# Altium PCB BSPD_mod_0513.PcbDoc (continued)
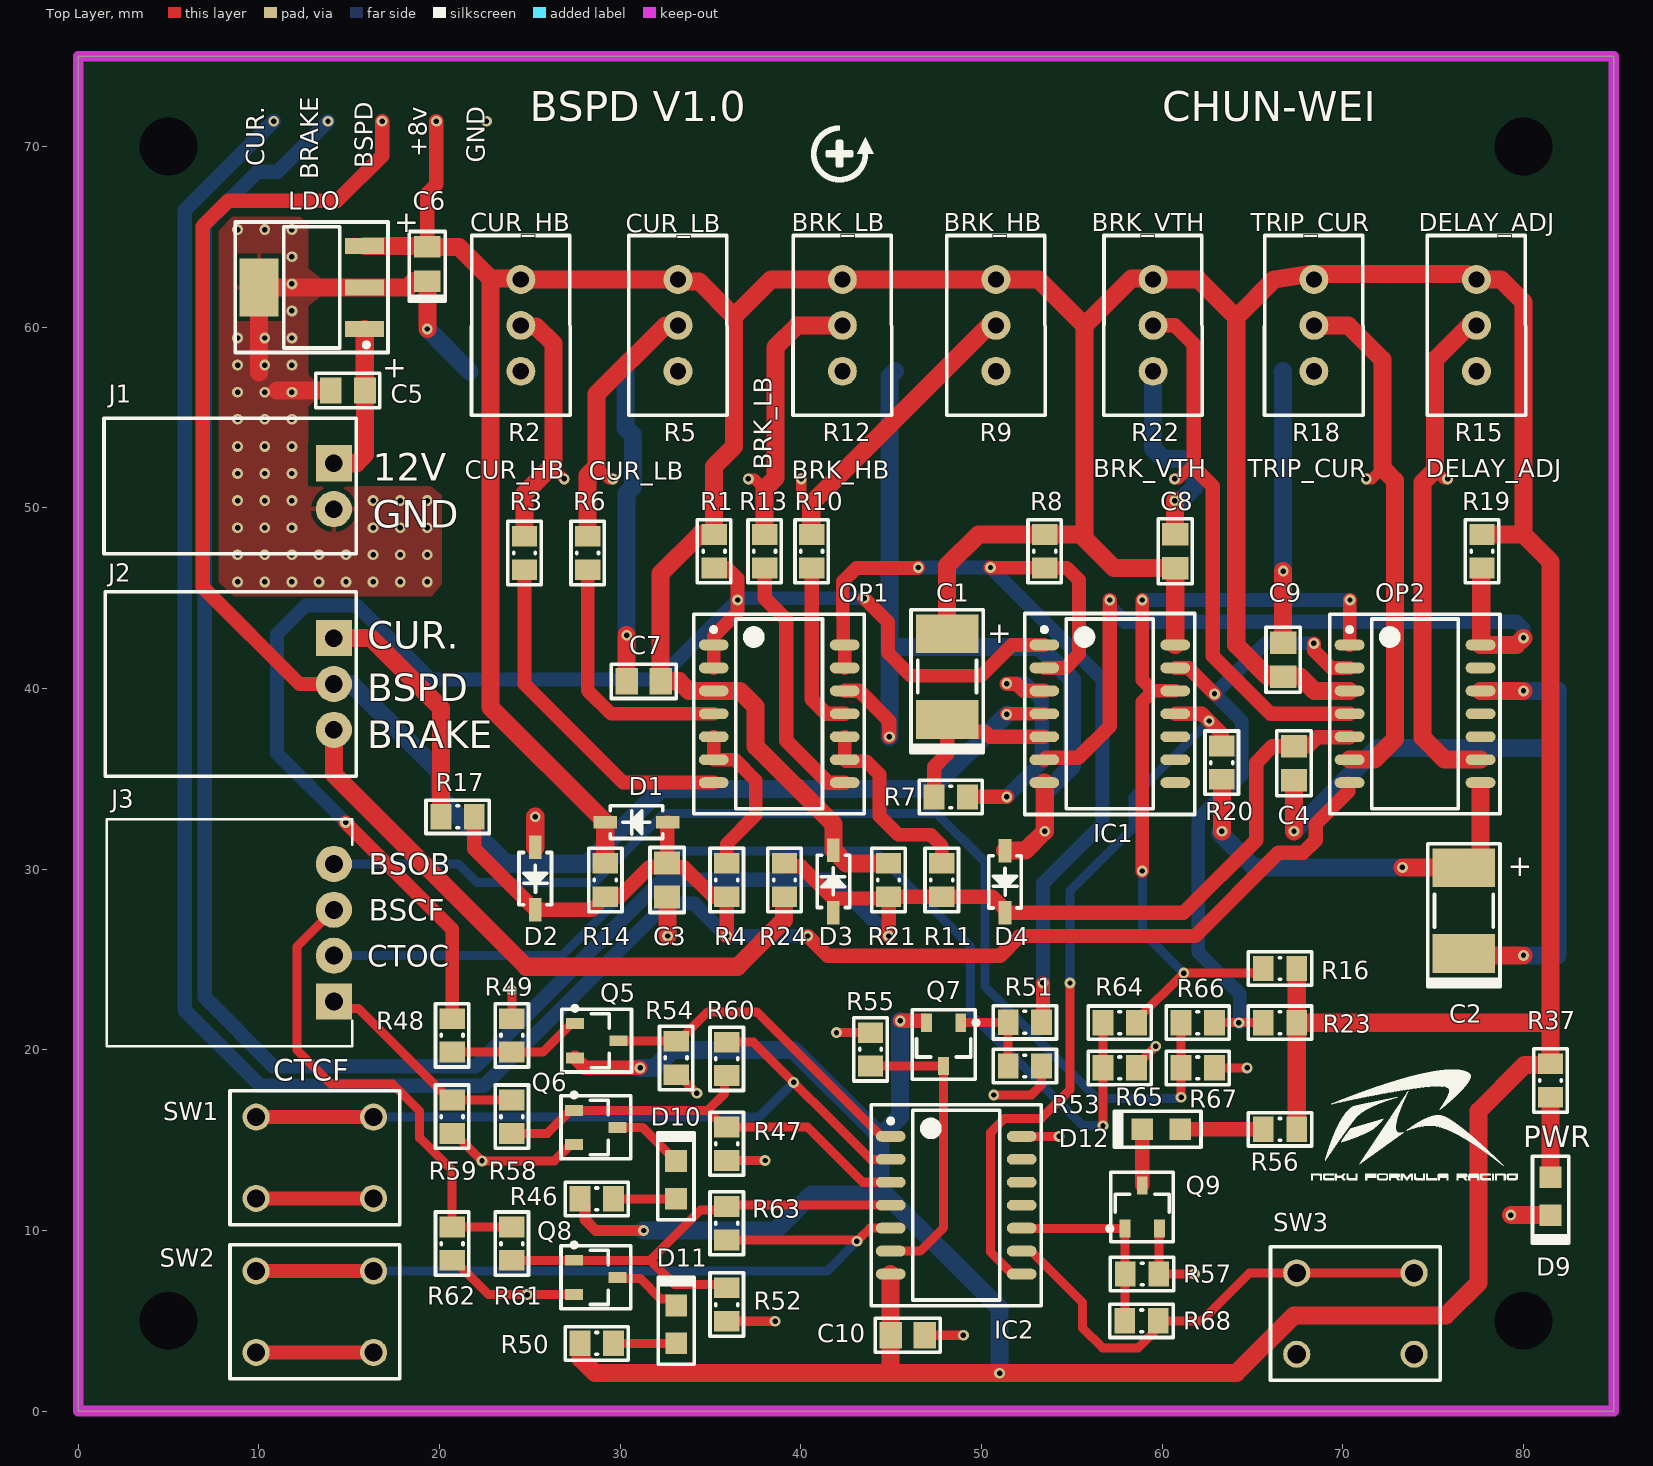
[diagram p0: Top Layer view]
## Part data (continued)
J3: library part 5-103634-3, "Conn Shrouded Header (4 Sides) HDR 4 POS 2.54mm Solder RA Thru-Hole Box/Tube", Color=Black, Contact Current Rating=3A, Contact Resistance=15mR, Flammability Rating="UL94 V-0", Insulation Resistance=5GR, Manufacturer="TE Connectivity", Max Operating Temperature=105°C, Min Operating Temperature=-65°C, Package Quantity=42, Supplier Part Number 1=571-5-103634-3, Voltage Rating=250V, Approvals=CSA, Backwall/Post Interruptions="No (Without)", catagory=header, ComponentLink1Description=https://datasheet.ciiva.com/709/eng-cd-103634-u2-709984.pdf?src-supplier=Digi-Key, ComponentLink1URL=https://datasheet.ciiva.com/709/eng-cd-103634-u2-709984.pdf?src-supplier=Digi-Key, ComponentLink2Description=https://datasheet.ciiva.com/30493/0900766b80f9a687-30493821.pdf?src-supplier=RSComponents, ComponentLink2URL=https://datasheet.ciiva.com/30493/0900766b80f9a687-30493821.pdf?src-supplier=RSComponents, ComponentLink3Description=https://datasheet.ciiva.com/16497/eng-cs-1307819-section-5-cont-0808-16497095.pdf?src-supplier=Avnet+Asia, ComponentLink3URL=https://datasheet.ciiva.com/16497/eng-cs-1307819-section-5-cont-0808-16497095.pdf?src-supplier=Avnet+Asia, ComponentLink4Description=https://datasheet.ciiva.com/7800/1651634-7800366.pdf?src-supplier=Element14, ComponentLink4URL=https://datasheet.ciiva.com/7800/1651634-7800366.pdf?src-supplier=Element14, ComponentLink5Description=https://datasheet.ciiva.com/14644/70087799-14644933.pdf?src-supplier=Allied+Electronics, ComponentLink5URL=https://datasheet.ciiva.com/14644/70087799-14644933.pdf?src-supplier=Allied+Electronics, ComponentLink6Description=https://datasheet.ciiva.com/9484/eng-cs-1307819-section-5-cont-0808-9484872.pdf?src-supplier=Avnet, ComponentLink6URL=https://datasheet.ciiva.com/9484/eng-cs-1307819-section-5-cont-0808-9484872.pdf?src-supplier=Avnet, ComponentLink7Description=https://datasheet.ciiva.com/46442/1651634-46442506.pdf?src-supplier=Element14, ComponentLink7URL=https://datasheet.ciiva.com/46442/1651634-46442506.pdf?src-supplier=Element14, ComponentLink8Description=https://datasheet.ciiva.com/16355/eng-ds-4-1773458-0-ampmodu-mte-interconnect-sys-0411-16355979.pdf?src-supplier=Future+Electronics, ComponentLink8URL=https://datasheet.ciiva.com/16355/eng-ds-4-1773458-0-ampmodu-mte-interconnect-sys-0411-16355979.pdf?src-supplier=Future+Electronics, ComponentLink9Description=http://datasheet.octopart.com/5-103634-3-TE-Connectivity-datasheet-11077636.pdf?src-supplier=Newark, ComponentLink9URL=http://datasheet.octopart.com/5-103634-3-TE-Connectivity-datasheet-11077636.pdf?src-supplier=Newark, ComponentLink10Description=http://datasheet.octopart.com/5-103634-3-TE-Connectivity-datasheet-136861139.pdf?src-supplier=ShanghaiCT, ComponentLink10URL=http://datasheet.octopart.com/5-103634-3-TE-Connectivity-datasheet-136861139.pdf?src-supplier=ShanghaiCT, ComponentLink11Description=http://sigma.octopart.com/15108092/technical_drawing/TE-Connectivity-5-103634-3.pdf?src-supplier=Farnell, ComponentLink11URL=http://sigma.octopart.com/15108092/technical_drawing/TE-Connectivity-5-103634-3.pdf?src-supplier=Farnell, ComponentLink12Description=http://datasheet.octopart.com/5-103634-3-TE-Connectivity-datasheet-8324834.pdf?src-supplier=Master+Electronics, ComponentLink12URL=http://datasheet.octopart.com/5-103634-3-TE-Connectivity-datasheet-8324834.pdf?src-supplier=Master+Electronics, ComponentLink13Description=http://sigma.octopart.com/101751519/technical_drawing/TE-Connectivity-5-103634-3.pdf?src-supplier=Future+Electronics, ComponentLink13URL=http://sigma.octopart.com/101751519/technical_drawing/TE-Connectivity-5-103634-3.pdf?src-supplier=Future+Electronics, ComponentLink14Description=http://sigma.octopart.com/77852267/technical_drawing/TE-Connectivity-5-103634-3.pdf?src-supplier=TE+Connectivity, ComponentLink14URL=http://sigma.octopart.com/77852267/technical_drawing/TE-Connectivity-5-103634-3.pdf?src-supplier=TE+Connectivity, ComponentLink15Description=http://datasheet.octopart.com/5-103634-3-Agastat-datasheet-13560061.pdf?src-supplier=TE+Connectivity, ComponentLink15URL=http://datasheet.octopart.com/5-103634-3-Agastat-datasheet-13560061.pdf?src-supplier=TE+Connectivity, ComponentLink16Description=http://datasheet.octopart.com/5-103634-3-TE-Connectivity-datasheet-9653333.pdf?src-supplier=Allied+Electronics, ComponentLink16URL=http://datasheet.octopart.com/5-103634-3-TE-Connectivity-datasheet-9653333.pdf?src-supplier=Allied+Electronics, ComponentLink17Description=http://datasheet.octopart.com/5-103634-3-Tyco-Electronics-datasheet-508243.pdf?src-supplier=Future+Electronics, ComponentLink17URL=http://datasheet.octopart.com/5-103634-3-Tyco-Electronics-datasheet-508243.pdf?src-supplier=Future+Electronics, ComponentLink18Description=http://datasheet.octopart.com/5-103634-3-Tyco-Electronics-datasheet-8817613.pdf?src-supplier=Future+Electronics, ComponentLink18URL=http://datasheet.octopart.com/5-103634-3-Tyco-Electronics-datasheet-8817613.pdf?src-supplier=Future+Electronics, Connector Type=Plug, Contact Gender=Male, Contact Material=Brass, Contact Mating Length=0.23inch, Contact Plating=Tin, Contact Retention="Yes (With)", Contact Shape=Square, Current Rating=3A, Depth=13.59mm, Height=13.59mm, Housing Color=Black, Housing Material=Thermoplastic, Length=12.7mm, Manufacturer Part Number=5-103634-3, Mating Alignment="Yes (With)", Mating Retention="Yes (With)", Mount="Through Hole", Number of Contacts=4, Number of Positions=4, Number of Rows=1, Orientation="Right Angle", Packaging=Rail/Tube, PCB Mount Alignment="No (Without)", PCB Mounting Orientation="Right Angle", PCB Mount Retention=Without, Pitch=2.54mm, Plating Thickness=2.54um, Pricing 1="1 = 1.23000, 10 = 1.02000, 100 = 0.91700, 500 = 0.79700, 1000 = 0.72100, 2500 = 0.58900, 25000 = 0.58000, 50000 = 0.56600 (USD)", REACH SVHC="No SVHC", Row Spacing=0.1inch, Stock 1=289, Strain Relief="No (Without)", Supplier 1=Mouser, Tail Length=3.3mm, Termination=Crimp
LDO: "LDO Regulator Pos 8V 1A 4-Pin(3+Tab) SOT-223 T/R", Case/Package=TO-261-4, Dropout Voltage=500mV, Manufacturer="Texas Instruments", Max Input Voltage=26V, Max Operating Temperature=125°C, Max Output Current=1A, Min Input Voltage=9.4V, Min Operating Temperature=-40°C, Output Voltage=8V, Package Quantity=2000, Quiescent Current=15mA, Supplier Part Number 1=926-LM2940IMPX80NOPB, ComponentLink1Description=https://datasheet.ciiva.com/6583/lm2940-n-6583894.pdf?src-supplier=Digi-Key, ComponentLink1URL=https://datasheet.ciiva.com/6583/lm2940-n-6583894.pdf?src-supplier=Digi-Key, ComponentLink2Description=https://datasheet.ciiva.com/14275/lm2940c-14275563.pdf?src-supplier=Avnet, ComponentLink2URL=https://datasheet.ciiva.com/14275/lm2940c-14275563.pdf?src-supplier=Avnet, ComponentLink3Description=https://datasheet.ciiva.com/26170/lm2940c-26170414.pdf?src-supplier=Avnet+Europe, ComponentLink3URL=https://datasheet.ciiva.com/26170/lm2940c-26170414.pdf?src-supplier=Avnet+Europe, ComponentLink4Description=https://octopart.com/click/track?ai=8629&ct=datasheets&sig=0204b2a&at=physicalpart&sid=370&ppid=24845755&hlid=24887964&src-supplier=TI+store, ComponentLink4URL=https://octopart.com/click/track?ai=8629&ct=datasheets&sig=0204b2a&at=physicalpart&sid=370&ppid=24845755&hlid=24887964&src-supplier=TI+store, ComponentLink5Description=http://datasheet.octopart.com/LM2940IMPX-8.0/NOPB-Texas-Instruments-datasheet-10621823.pdf?src-supplier=TI+store, ComponentLink5URL=http://datasheet.octopart.com/LM2940IMPX-8.0/NOPB-Texas-Instruments-datasheet-10621823.pdf?src-supplier=TI+store, ComponentLink6Description=http://datasheet.octopart.com/LM2940IMPX-8.0-NOPB-Texas-Instruments-datasheet-14775597.pdf?src-supplier=TI+store, ComponentLink6URL=http://datasheet.octopart.com/LM2940IMPX-8.0-NOPB-Texas-Instruments-datasheet-14775597.pdf?src-supplier=TI+store, ComponentLink7Description=http://datasheet.octopart.com/LM2940IMPX-8.0-NOPB-Texas-Instruments-datasheet-34156496.pdf?src-supplier=TI+store, ComponentLink7URL=http://datasheet.octopart.com/LM2940IMPX-8.0-NOPB-Texas-Instruments-datasheet-34156496.pdf?src-supplier=TI+store, ComponentLink8Description=http://datasheet.octopart.com/LM2940IMPX-8.0-NOPB-Texas-Instruments-datasheet-37140193.pdf?src-supplier=TI+store, ComponentLink8URL=http://datasheet.octopart.com/LM2940IMPX-8.0-NOPB-Texas-Instruments-datasheet-37140193.pdf?src-supplier=TI+store, ComponentLink9Description=http://sigma.octopart.com/49253063/technical_drawing/Texas-Instruments-LM2940IMPX-8.0-NOPB.pdf?src-supplier=TI+store, ComponentLink9URL=http://sigma.octopart.com/49253063/technical_drawing/Texas-Instruments-LM2940IMPX-8.0-NOPB.pdf?src-supplier=TI+store, Lead Free="Lead Free", Manufacturer Part Number=LM2940IMPX-8.0/NOPB, Mount="Surface Mount", Number of Outputs=1, Number of Pins=4, Number of Regulators=1, Output Current=1A, Output Type=Fixed, Packaging="Tape and Reel", Polarity=Positive, Pricing 1="1 = 1.55000, 10 = 1.32000, 100 = 1.05000, 500 = 0.92300, 1000 = 0.76500, 2000 = 0.71200 (USD)", Radiation Hardening=No, Stock 1=3837, Supplier 1=Mouser
OP1: library part LM339ADR, Case/Package=SOIC, Manufacturer="Rochester Electronics", Nominal Supply Current=2mA, Output Current=16mA, Quiescent Current=800uA, Supplier Part Number 1=595-LM339ADR, Lead Free="Lead Free", Manufacturer Part Number=LM339ADR, Number of Channels=4, Number of Pins=14, Packaging=Bulk, Pricing 1="1 = 0.37000, 10 = 0.27500, 100 = 0.14900, 1000 = 0.11200, 2500 = 0.09700, 10000 = 0.09000 (USD)", REACH SVHC="No SVHC", RoHS=No, Stock 1=22756, Supplier 1=Mouser
OP2: library part ADCMP393ARUZ, "Comparator Quad R-R I/P 5.5V 14-Pin TSSOP Tube", Case/Package=SOIC, Manufacturer="Rochester Electronics", Manufacturer Part Number=LM339ADR, Nominal Supply Current=2mA, Output Current=16mA, Quiescent Current=800uA, Supplier Part Number 1=595-LM339ADR, Lead Free="Lead Free", Number of Channels=4, Number of Pins=14, Packaging=Bulk, Pricing 1="1 = 0.37000, 10 = 0.27500, 100 = 0.14900, 1000 = 0.11200, 2500 = 0.09700, 10000 = 0.09000 (USD)", REACH SVHC="No SVHC", RoHS=No, Stock 1=22756, Supplier 1=Mouser
Q5 Q7: library part pmos-TP0610K-T1-E3, "Mosfet; P-ch; Vdss -60V; Rds(on) 10 Ohms; Id -185MA; TO-236 (SOT-23); Pd 350MW; -55DEGC", Case/Package=TO-236, Continuous Drain Current (ID)=185mA, Drain to Source Breakdown Voltage=-60V, Drain to Source Resistance=10R, Drain to Source Voltage (Vdss)=60V, Gate to Source Voltage (Vgs)=20V, Input Capacitance=23pF, Manufacturer=Vishay, Manufacturer Part Number=TP0610K-T1-E3, Max Operating Temperature=150°C, Max Power Dissipation=350mW, Min Operating Temperature=-55°C, Package Quantity=1, Supplier Part Number 1=781-TP0610K-E3, Threshold Voltage=-3V, ComponentLink1Description=https://datasheet.ciiva.com/7371/1747937-7371045.pdf?src-supplier=Newark, ComponentLink1URL=https://datasheet.ciiva.com/7371/1747937-7371045.pdf?src-supplier=Newark, ComponentLink2Description=https://datasheet.ciiva.com/26942/getdatasheetpartid-110418-26942995.pdf?src-supplier=Verical, ComponentLink2URL=https://datasheet.ciiva.com/26942/getdatasheetpartid-110418-26942995.pdf?src-supplier=Verical, ComponentLink3Description=https://datasheet.ciiva.com/26790/tp0610k-t1-e3-26790388.pdf?src-supplier=IIIC, ComponentLink3URL=https://datasheet.ciiva.com/26790/tp0610k-t1-e3-26790388.pdf?src-supplier=IIIC, ComponentLink4Description=https://datasheet.ciiva.com/18432/70026028-18432550.pdf?src-supplier=Allied+Electronics, ComponentLink4URL=https://datasheet.ciiva.com/18432/70026028-18432550.pdf?src-supplier=Allied+Electronics, ComponentLink5Description=https://datasheet.ciiva.com/22754/1747937-22754554.pdf?src-supplier=Farnell, ComponentLink5URL=https://datasheet.ciiva.com/22754/1747937-22754554.pdf?src-supplier=Farnell, ComponentLink6Description=https://datasheet.ciiva.com/7789/1747937-7789084.pdf?src-supplier=Element14, ComponentLink6URL=https://datasheet.ciiva.com/7789/1747937-7789084.pdf?src-supplier=Element14, ComponentLink7Description=https://datasheet.ciiva.com/8114/tp0610k-8114892.pdf?src-supplier=Avnet, ComponentLink7URL=https://datasheet.ciiva.com/8114/tp0610k-8114892.pdf?src-supplier=Avnet, ComponentLink8Description=https://datasheet.ciiva.com/11161/tp0610k-11161438.pdf?src-supplier=Avnet, ComponentLink8URL=https://datasheet.ciiva.com/11161/tp0610k-11161438.pdf?src-supplier=Avnet, ComponentLink9Description=https://datasheet.ciiva.com/46398/1747937-46398094.pdf?src-supplier=Element14, ComponentLink9URL=https://datasheet.ciiva.com/46398/1747937-46398094.pdf?src-supplier=Element14, ComponentLink10Description=https://datasheet.ciiva.com/26139/tp0610k-26139160.pdf?src-supplier=Avnet+Europe, ComponentLink10URL=https://datasheet.ciiva.com/26139/tp0610k-26139160.pdf?src-supplier=Avnet+Europe, ComponentLink11Description=https://datasheet.ciiva.com/6388/tp0610k-6388255.pdf?src-supplier=Digi-Key, ComponentLink11URL=https://datasheet.ciiva.com/6388/tp0610k-6388255.pdf?src-supplier=Digi-Key, ComponentLink12Description=http://datasheet.octopart.com/TP0610K-T1-E3-Vishay-datasheet-10031356.pdf?src-supplier=Farnell, ComponentLink12URL=http://datasheet.octopart.com/TP0610K-T1-E3-Vishay-datasheet-10031356.pdf?src-supplier=Farnell, ComponentLink13Description=http://datasheet.octopart.com/TP0610K-T1-E3-Vishay-datasheet-12533050.pdf?src-supplier=Farnell, ComponentLink13URL=http://datasheet.octopart.com/TP0610K-T1-E3-Vishay-datasheet-12533050.pdf?src-supplier=Farnell, ComponentLink14Description=http://datasheet.octopart.com/TP0610K-T1-E3-Vishay-datasheet-12550487.pdf?src-supplier=Farnell, ComponentLink14URL=http://datasheet.octopart.com/TP0610K-T1-E3-Vishay-datasheet-12550487.pdf?src-supplier=Farnell, ComponentLink15Description=http://datasheet.octopart.com/TP0610K-T1-E3-Vishay-datasheet-21270958.pdf?src-supplier=Element14, ComponentLink15URL=http://datasheet.octopart.com/TP0610K-T1-E3-Vishay-datasheet-21270958.pdf?src-supplier=Element14, ComponentLink16Description=http://datasheet.octopart.com/TP0610K-T1-E3-Vishay-datasheet-62319398.pdf?src-supplier=Newark, ComponentLink16URL=http://datasheet.octopart.com/TP0610K-T1-E3-Vishay-datasheet-62319398.pdf?src-supplier=Newark, ComponentLink17Description=http://datasheet.octopart.com/TP0610K-T1-E3-Vishay-datasheet-8327186.pdf?src-supplier=Element14, ComponentLink17URL=http://datasheet.octopart.com/TP0610K-T1-E3-Vishay-datasheet-8327186.pdf?src-supplier=Element14, ComponentLink18Description=http://datasheet.octopart.com/TP0610K-T1-E3-Vishay-datasheet-8373677.pdf?src-supplier=Element14, ComponentLink18URL=http://datasheet.octopart.com/TP0610K-T1-E3-Vishay-datasheet-8373677.pdf?src-supplier=Element14, ComponentLink19Description=http://datasheet.octopart.com/TP0610K-T1-E3-Vishay-datasheet-8823972.pdf?src-supplier=Element14, ComponentLink19URL=http://datasheet.octopart.com/TP0610K-T1-E3-Vishay-datasheet-8823972.pdf?src-supplier=Element14, ComponentLink20Description=http://datasheet.octopart.com/TP0610K-T1-E3-Vishay-datasheet-41195321.pdf?src-supplier=Farnell, ComponentLink20URL=http://datasheet.octopart.com/TP0610K-T1-E3-Vishay-datasheet-41195321.pdf?src-supplier=Farnell, ComponentLink21Description=http://datasheet.octopart.com/TP0610K-T1-E3-Vishay-datasheet-48685623.pdf?src-supplier=Newark, ComponentLink21URL=http://datasheet.octopart.com/TP0610K-T1-E3-Vishay-datasheet-48685623.pdf?src-supplier=Newark, ComponentLink22Description=http://datasheet.octopart.com/TP0610K-T1-E3-Vishay-datasheet-62319399.pdf?src-supplier=Element14, ComponentLink22URL=http://datasheet.octopart.com/TP0610K-T1-E3-Vishay-datasheet-62319399.pdf?src-supplier=Element14, ComponentLink23Description=http://datasheet.octopart.com/TP0610K-T1-E3-Vishay-datasheet-74065.pdf?src-supplier=Newark, ComponentLink23URL=http://datasheet.octopart.com/TP0610K-T1-E3-Vishay-datasheet-74065.pdf?src-supplier=Newark, ComponentLink24Description=http://datasheet.octopart.com/TP0610K-T1-E3-Vishay-datasheet-9986767.pdf?src-supplier=Allied+Electronics, ComponentLink24URL=http://datasheet.octopart.com/TP0610K-T1-E3-Vishay-datasheet-9986767.pdf?src-supplier=Allied+Electronics, ComponentLink25Description=http://datasheet.octopart.com/TP0610K-T1-E3-Vishay-datasheet-11783167.pdf?src-supplier=Arrow, ComponentLink25URL=http://datasheet.octopart.com/TP0610K-T1-E3-Vishay-datasheet-11783167.pdf?src-supplier=Arrow, ComponentLink26Description=http://datasheet.octopart.com/TP0610K-T1-E3-Vishay-datasheet-14187242.pdf?src-supplier=IIIC, ComponentLink26URL=http://datasheet.octopart.com/TP0610K-T1-E3-Vishay-datasheet-14187242.pdf?src-supplier=IIIC, Element Configuration=Single, Height=1.02mm, Lead Free="Lead Free", Length=3.04mm, Mount="Surface Mount", Nominal Vgs=-3V, Number of Channels=1, Number of Elements=1, Number of Pins=3, On-State Resistance=10R, Packaging="Tape and Reel", Power Dissipation=350mW, Pricing 1="1 = 0.38000, 10 = 0.31200, 100 = 0.21900, 500 = 0.16400, 1000 = 0.13700, 3000 = 0.13000 (USD)", Radiation Hardening=No, Rds On Max=6R, REACH SVHC=Unknown, Stock 1=32221, Supplier 1=Mouser, Turn-On Delay Time=20ns, Weight=0.050717oz, Width=1.4mm
Q6 Q8 Q9: "MOSFET 60V 7.5Ohm", Case/Package=SOT-23-3, Continuous Drain Current (ID)=115mA, Drain to Source Resistance=7.5R, Drain to Source Voltage (Vdss)=60V, Gate to Source Voltage (Vgs)=30V, Manufacturer="Microchip Supertex", Max Operating Temperature=150°C, Max Power Dissipation=360mW, Min Operating Temperature=-55°C, Package Quantity=3000, Supplier Part Number 1=689-2N7002, ComponentLink1Description=http://components.arrow.com/part/dataview/2250345S543536N1389?src-supplier=Arrow, ComponentLink1URL=http://components.arrow.com/part/dataview/2250345S543536N1389?src-supplier=Arrow, ComponentLink2Description=http://www.mouser.com/ds/2/268/supertex_2n7002-522862.pdf?src-supplier=Mouser, ComponentLink2URL=http://www.mouser.com/ds/2/268/supertex_2n7002-522862.pdf?src-supplier=Mouser, Current Rating=115mA, Element Configuration=Single, Height=0.93mm, Lead Free="Lead Free", Length=2.92mm, Manufacturer Part Number=2N7002, Number of Channels=1, Number of Pins=3, REACH SVHC="No SVHC", RoHS=No, Supplier 1=Mouser, Voltage Rating (DC)=60V, Weight=0.050717oz, Width=1.3mm
R1 R3 R4 R6 R8 R10 R11 R13: library part 10k-CRCW080510K0FKEAC, "Res Thick Film 0805 10K Ohm 1% 1/8W ±100ppm/°C Molded SMD Paper T/R", Case/Package=0805, Manufacturer=Vishay, Manufacturer Part Number=CRCW080510K0FKEAC, Power Rating=125mW, Resistance=10000R, Supplier Part Number 1=71-CRCW080510K0FKEAC, Tolerance=1%, ComponentLink1Description=http://www.vishay.com/docs/28773/crcwce3.pdf?src-supplier=Digi-Key, ComponentLink1URL=http://www.vishay.com/docs/28773/crcwce3.pdf?src-supplier=Digi-Key, ComponentLink2Description=http://datasheet.octopart.com/CRCW080510K0FKEAC-Vishay-datasheet-100063072.pdf?src-supplier=Future+Electronics, ComponentLink2URL=http://datasheet.octopart.com/CRCW080510K0FKEAC-Vishay-datasheet-100063072.pdf?src-supplier=Future+Electronics, Lead Free="Lead Free", Pricing 1="1 = 0.10000, 10 = 0.05900, 100 = 0.02400, 1000 = 0.01000, 5000 = 0.00700, 10000 = 0.00600, 25000 = 0.00500 (USD)", Stock 1=593292, Supplier 1=Mouser
R2 R5 R9 R12 R15 R18 R22: library part 50K可變垂直-3296W-1-503LF, "Trimmer; Cermet; Rest 50 Kilohms; PCB; Pwr-Rtg 0.5W; Dim 0.375InLx0.19InWx0.395InH", Color=Blue, Insulation Resistance=1GR, Manufacturer=Bourns, Manufacturer Part Number=3296W-1-503LF, Max Operating Temperature=125°C, Max Power Dissipation=500mW, Min Operating Temperature=-55°C, Package Quantity=50, Supplier Part Number 1=652-3296W-1-503LF, Temperature Coefficient=100ppm/°C, Tolerance=10%, ComponentLink1Description=https://datasheet.ciiva.com/6178/172577-6178371.pdf?src-supplier=Distrelec, ComponentLink1URL=https://datasheet.ciiva.com/6178/172577-6178371.pdf?src-supplier=Distrelec, ComponentLink2Description=https://datasheet.ciiva.com/27747/769485-27747554.pdf?src-supplier=Jameco, ComponentLink2URL=https://datasheet.ciiva.com/27747/769485-27747554.pdf?src-supplier=Jameco, ComponentLink3Description=https://datasheet.ciiva.com/11831/0900766b8069ccf4-11831072.pdf?src-supplier=RSComponents, ComponentLink3URL=https://datasheet.ciiva.com/11831/0900766b8069ccf4-11831072.pdf?src-supplier=RSComponents, ComponentLink4Description=https://datasheet.ciiva.com/29122/447285-da-01-en-trimmer-tht3296w-1-503lf-50k-0-5w-29122369.pdf?src-supplier=Conrad, ComponentLink4URL=https://datasheet.ciiva.com/29122/447285-da-01-en-trimmer-tht3296w-1-503lf-50k-0-5w-29122369.pdf?src-supplier=Conrad, ComponentLink5Description=https://datasheet.ciiva.com/3266/3296-3266197.pdf?src-supplier=Avnet, ComponentLink5URL=https://datasheet.ciiva.com/3266/3296-3266197.pdf?src-supplier=Avnet, ComponentLink6Description=https://datasheet.ciiva.com/2156/3296-2156902.pdf?src-supplier=Digi-Key, ComponentLink6URL=https://datasheet.ciiva.com/2156/3296-2156902.pdf?src-supplier=Digi-Key, ComponentLink7Description=https://datasheet.ciiva.com/25907/3296-25907261.pdf?src-supplier=Avnet+Europe, ComponentLink7URL=https://datasheet.ciiva.com/25907/3296-25907261.pdf?src-supplier=Avnet+Europe, ComponentLink8Description=https://datasheet.ciiva.com/1131/1815117-1131346.pdf?src-supplier=Element14, ComponentLink8URL=https://datasheet.ciiva.com/1131/1815117-1131346.pdf?src-supplier=Element14, ComponentLink9Description=https://datasheet.ciiva.com/20164/68-0300e-20164056.pdf?src-supplier=Rapid+Electronics, ComponentLink9URL=https://datasheet.ciiva.com/20164/68-0300e-20164056.pdf?src-supplier=Rapid+Electronics, ComponentLink10Description=https://datasheet.ciiva.com/30233/3296-30233887.pdf?src-supplier=Onlinecomponents.com, ComponentLink10URL=https://datasheet.ciiva.com/30233/3296-30233887.pdf?src-supplier=Onlinecomponents.com, ComponentLink11Description=http://datasheet.octopart.com/3296W-1-503LF-Bourns-datasheet-9257.pdf?src-supplier=Factory+Futures, ComponentLink11URL=http://datasheet.octopart.com/3296W-1-503LF-Bourns-datasheet-9257.pdf?src-supplier=Factory+Futures, ComponentLink12Description=http://datasheet.octopart.com/3296W-1-503LF-Bourns-datasheet-8754025.pdf?src-supplier=Electro+Sonic, ComponentLink12URL=http://datasheet.octopart.com/3296W-1-503LF-Bourns-datasheet-8754025.pdf?src-supplier=Electro+Sonic, ComponentLink13Description=http://datasheet.octopart.com/3296W-1-503LF-Bourns-datasheet-62345832.pdf?src-supplier=Element14, ComponentLink13URL=http://datasheet.octopart.com/3296W-1-503LF-Bourns-datasheet-62345832.pdf?src-supplier=Element14, ComponentLink14Description=http://datasheet.octopart.com/3296W-1-503LF-Bourns-datasheet-8458046.pdf?src-supplier=Factory+Futures, ComponentLink14URL=http://datasheet.octopart.com/3296W-1-503LF-Bourns-datasheet-8458046.pdf?src-supplier=Factory+Futures, ComponentLink15Description=http://datasheet.octopart.com/3296W-1-503LF-Bourns-datasheet-8359740.pdf?src-supplier=_legacy+Avnet, ComponentLink15URL=http://datasheet.octopart.com/3296W-1-503LF-Bourns-datasheet-8359740.pdf?src-supplier=_legacy+Avnet, ComponentLink16Description=http://datasheet.octopart.com/3296W-1-503LF-Bourns-datasheet-25360155.pdf?src-supplier=Allied+Electronics, ComponentLink16URL=http://datasheet.octopart.com/3296W-1-503LF-Bourns-datasheet-25360155.pdf?src-supplier=Allied+Electronics, ComponentLink17Description=http://datasheet.octopart.com/3296W-1-503LF-Bourns-datasheet-47378.pdf?src-supplier=Allied+Electronics, ComponentLink17URL=http://datasheet.octopart.com/3296W-1-503LF-Bourns-datasheet-47378.pdf?src-supplier=Allied+Electronics, ComponentLink18Description=http://datasheet.octopart.com/3296W-1-503LF-Bourns-datasheet-528316.pdf?src-supplier=Farnell, ComponentLink18URL=http://datasheet.octopart.com/3296W-1-503LF-Bourns-datasheet-528316.pdf?src-supplier=Farnell, ComponentLink19Description=http://datasheet.octopart.com/3296W-1-503LF-Bourns-datasheet-6152.pdf?src-supplier=Farnell, ComponentLink19URL=http://datasheet.octopart.com/3296W-1-503LF-Bourns-datasheet-6152.pdf?src-supplier=Farnell, ComponentLink20Description=http://datasheet.octopart.com/3296W-1-503LF.-Bourns-datasheet-7284159.pdf?src-supplier=Jameco, ComponentLink20URL=http://datasheet.octopart.com/3296W-1-503LF.-Bourns-datasheet-7284159.pdf?src-supplier=Jameco, ComponentLink21Description=http://datasheet.octopart.com/3296W-1-503LF-Bourns-datasheet-14175298.pdf?src-supplier=IIIC, ComponentLink21URL=http://datasheet.octopart.com/3296W-1-503LF-Bourns-datasheet-14175298.pdf?src-supplier=IIIC, ComponentLink22Description=http://datasheet.octopart.com/3296W-1-503LF-Bourns-datasheet-17840116.pdf?src-supplier=Jameco, ComponentLink22URL=http://datasheet.octopart.com/3296W-1-503LF-Bourns-datasheet-17840116.pdf?src-supplier=Jameco, Composition=Cermet, Contact Plating=Tin, Depth=4.83mm, Height=0.395inch, Lead Free="Lead Free", Length=9.53mm, Military Standard=Not, Mount=Panel, Number of Terminals=3, Number of Turns=25, Packaging=Rail/Tube, Power Rating=500mW, Pricing 1="1 = 2.31000, 10 = 1.83000, 50 = 1.76000, 100 = 1.62000, 500 = 1.34000, 1000 = 1.27000, 2000 = 1.09000, 5000 = 1.06000, 10000 = 0.94700 (USD)", Radiation Hardening=No, REACH SVHC="No SVHC", Resistance=50kR, Stock 1=3535, Supplier 1=Mouser, Taper=Linear, Termination=Pin, Type=Potentiometer, Weight=0.03oz, Width=9.53mm
R7 R65: library part 100k-CRCW0805100KFKEAC, "Res Thick Film 0805 100K Ohm 1% 1/8W ±100ppm/°C Molded SMD Paper T/R", Case/Package=Molded, Manufacturer=Vishay, Manufacturer Part Number=CRCW0805100KFKEAC, Max Operating Temperature=155°C, Min Operating Temperature=-55°C, Power Rating=125mW, Supplier Part Number 1=71-CRCW0805100KFKEAC, Temperature Coefficient=100ppm/°C, Tolerance=1%, ComponentLink1Description=http://www.vishay.com/docs/20035/dcrcwe3.pdf?src-supplier=Avnet+Asia, ComponentLink1URL=http://www.vishay.com/docs/20035/dcrcwe3.pdf?src-supplier=Avnet+Asia, ComponentLink2Description=http://www.vishay.com/docs/28773/crcwce3.pdf?src-supplier=Digi-Key, ComponentLink2URL=http://www.vishay.com/docs/28773/crcwce3.pdf?src-supplier=Digi-Key, ComponentLink3Description=http://datasheet.octopart.com/CRCW0805100KFKEAC-Vishay-datasheet-100063072.pdf?src-supplier=Future+Electronics, ComponentLink3URL=http://datasheet.octopart.com/CRCW0805100KFKEAC-Vishay-datasheet-100063072.pdf?src-supplier=Future+Electronics, Composition="Thick Film", Contact Plating=Tin, Lead Free="Lead Free", Length=2mm, Mount="Surface Mount", Pricing 1="1 = 0.10000, 10 = 0.05900, 100 = 0.02400, 1000 = 0.01000, 5000 = 0.00700, 10000 = 0.00600, 25000 = 0.00500 (USD)", Resistance=100kR, Stock 1=206602, Supplier 1=Mouser, Termination=Wraparound
R14 R19 R21: library part 39k-CRCW080539K0FKEAC, "CRCW Thick Film Commodity Chip Resistor 0805 Size 39K Ohm 1% 0.125 W 100 ppm/K 2-Pin SMD Paper T/R", Manufacturer=Vishay, Manufacturer Part Number=CRCW080539K0FKEAC, Supplier Part Number 1=71-CRCW080539K0FKEAC, Pricing 1="1 = 0.16000, 10 = 0.05900, 100 = 0.02400, 1000 = 0.01000, 5000 = 0.00700, 10000 = 0.00600, 25000 = 0.00500 (USD)", Stock 1=13079, Supplier 1=Mouser
R16: library part 100-CRCW0805100RFKEAC, "Res Thick Film 0805 100 Ohm 1% 1/8W ±100ppm/°C Molded SMD Paper T/R", Case/Package=0805, Manufacturer=Vishay, Manufacturer Part Number=CRCW080510K0FKEAC, Power Rating=125mW, Resistance=10000R, Supplier Part Number 1=71-CRCW080510K0FKEAC, Tolerance=1%, ComponentLink1Description=http://www.vishay.com/docs/28773/crcwce3.pdf?src-supplier=Digi-Key, ComponentLink1URL=http://www.vishay.com/docs/28773/crcwce3.pdf?src-supplier=Digi-Key, ComponentLink2Description=http://datasheet.octopart.com/CRCW080510K0FKEAC-Vishay-datasheet-100063072.pdf?src-supplier=Future+Electronics, ComponentLink2URL=http://datasheet.octopart.com/CRCW080510K0FKEAC-Vishay-datasheet-100063072.pdf?src-supplier=Future+Electronics, Lead Free="Lead Free", Pricing 1="1 = 0.10000, 10 = 0.05900, 100 = 0.02400, 1000 = 0.01000, 5000 = 0.00700, 10000 = 0.00600, 25000 = 0.00500 (USD)", Stock 1=593292, Supplier 1=Mouser
R17 R24: library part 100-CRCW0805100RFKEAC, "Res Thick Film 0805 100 Ohm 1% 1/8W ±100ppm/°C Molded SMD Paper T/R", Case/Package=0805, Manufacturer=Vishay, Manufacturer Part Number=CRCW0805100RFKEAC, Power Rating=125mW, Supplier Part Number 1=71-CRCW0805100RFKEAC, Tolerance=1%, ComponentLink1Description=http://www.vishay.com/docs/28773/crcwce3.pdf?src-supplier=Digi-Key, ComponentLink1URL=http://www.vishay.com/docs/28773/crcwce3.pdf?src-supplier=Digi-Key, ComponentLink2Description=http://datasheet.octopart.com/CRCW0805100RFKEAC-Vishay-datasheet-100063072.pdf?src-supplier=Future+Electronics, ComponentLink2URL=http://datasheet.octopart.com/CRCW0805100RFKEAC-Vishay-datasheet-100063072.pdf?src-supplier=Future+Electronics, Lead Free="Lead Free", Pricing 1="1 = 0.10000, 10 = 0.05900, 100 = 0.02400, 1000 = 0.01000, 5000 = 0.00700, 10000 = 0.00600, 25000 = 0.00500 (USD)", Resistance=100R, Stock 1=249348, Supplier 1=Mouser
R20: library part 100-CRCW0805100RFKEAC, "Res Thick Film 0805 100 Ohm 1% 1/8W ±100ppm/°C Molded SMD Paper T/R", Case/Package=Molded, Manufacturer=Vishay, Manufacturer Part Number=CRCW0805100KFKEAC, Max Operating Temperature=155°C, Min Operating Temperature=-55°C, Power Rating=125mW, Supplier Part Number 1=71-CRCW0805100KFKEAC, Temperature Coefficient=100ppm/°C, Tolerance=1%, ComponentLink1Description=http://www.vishay.com/docs/20035/dcrcwe3.pdf?src-supplier=Avnet+Asia, ComponentLink1URL=http://www.vishay.com/docs/20035/dcrcwe3.pdf?src-supplier=Avnet+Asia, ComponentLink2Description=http://www.vishay.com/docs/28773/crcwce3.pdf?src-supplier=Digi-Key, ComponentLink2URL=http://www.vishay.com/docs/28773/crcwce3.pdf?src-supplier=Digi-Key, ComponentLink3Description=http://datasheet.octopart.com/CRCW0805100KFKEAC-Vishay-datasheet-100063072.pdf?src-supplier=Future+Electronics, ComponentLink3URL=http://datasheet.octopart.com/CRCW0805100KFKEAC-Vishay-datasheet-100063072.pdf?src-supplier=Future+Electronics, Composition="Thick Film", Contact Plating=Tin, Lead Free="Lead Free", Length=2mm, Mount="Surface Mount", Pricing 1="1 = 0.10000, 10 = 0.05900, 100 = 0.02400, 1000 = 0.01000, 5000 = 0.00700, 10000 = 0.00600, 25000 = 0.00500 (USD)", Resistance=100kR, Stock 1=206602, Supplier 1=Mouser, Termination=Wraparound
R23: library part 39k-CRCW080539K0FKEAC, "CRCW Thick Film Commodity Chip Resistor 0805 Size 39K Ohm 1% 0.125 W 100 ppm/K 2-Pin SMD Paper T/R", Case/Package=0805, Manufacturer=Vishay, Manufacturer Part Number=CRCW080510K0FKEAC, Power Rating=125mW, Resistance=10000R, Supplier Part Number 1=71-CRCW080510K0FKEAC, Tolerance=1%, ComponentLink1Description=http://www.vishay.com/docs/28773/crcwce3.pdf?src-supplier=Digi-Key, ComponentLink1URL=http://www.vishay.com/docs/28773/crcwce3.pdf?src-supplier=Digi-Key, ComponentLink2Description=http://datasheet.octopart.com/CRCW080510K0FKEAC-Vishay-datasheet-100063072.pdf?src-supplier=Future+Electronics, ComponentLink2URL=http://datasheet.octopart.com/CRCW080510K0FKEAC-Vishay-datasheet-100063072.pdf?src-supplier=Future+Electronics, Lead Free="Lead Free", Pricing 1="1 = 0.10000, 10 = 0.05900, 100 = 0.02400, 1000 = 0.01000, 5000 = 0.00700, 10000 = 0.00600, 25000 = 0.00500 (USD)", Stock 1=593292, Supplier 1=Mouser